# Altium PCB HAND_MULTILAYER.PcbDoc (part 2 of 3) (continued)
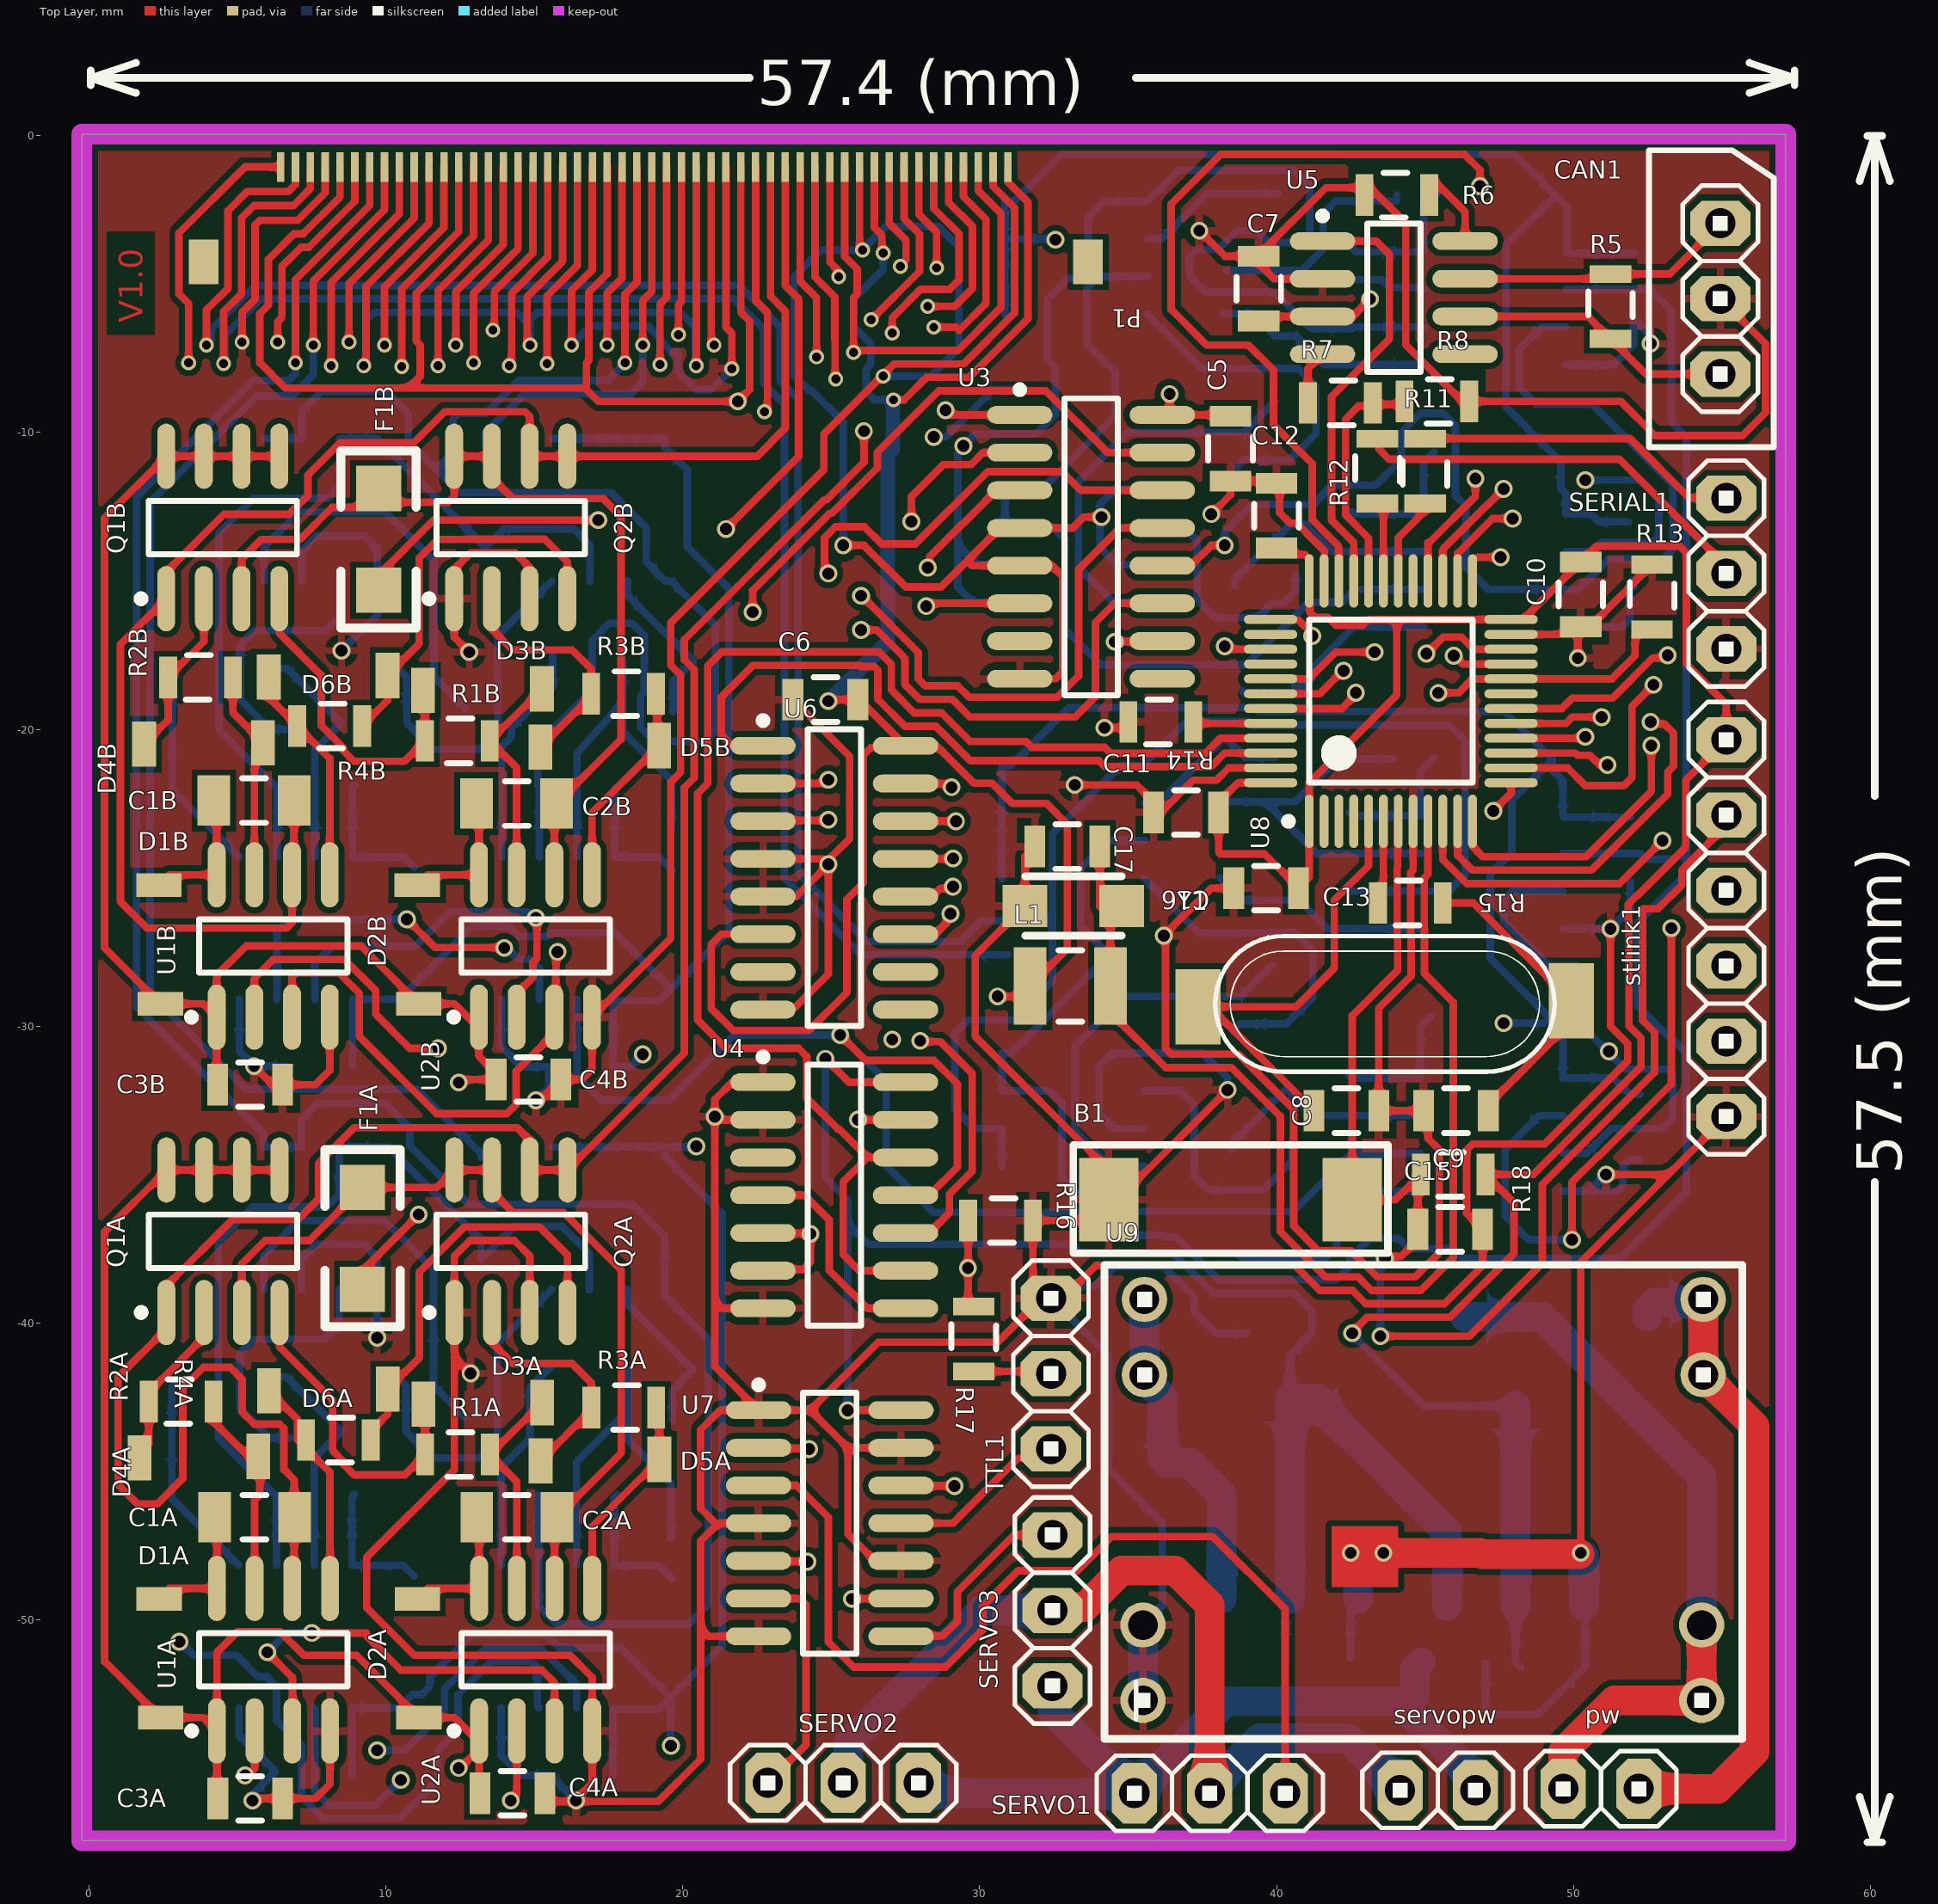
[diagram p0: Top Layer view]
## Nets (pads, with @x,y where several pads share a name; then routed paths per layer and width w, separated by ;. In a path a pad name is that pad's centre, name@x,y a point inside that pad or via, vN(x,y) a via of type N, cw(c..) or ccw(c..) an arc to the next point about the centre after c; other vN are vias at no path point) (continued)
NetC2D_1: C2D.1 F1D.2 Q1D.3 Q2D.7 Q2D.8 U2D.6 | length 31.7
  Bottom Layer w0.254: Q1D.3@35.65,-4.745 34.005,-4.745 33.6,-5.15 33.6,-7 34.565,-7.965 F1D.2@34.565,-8.55 34.565,-9.435 32.095,-11.905 Q2D.8@30.85,-11.905 Q2D.7@30.85,-13.175 32.457,-13.175 32.871,-13.589 32.871,-16.621 34.077,-17.827 38.973,-17.827 41.08,-15.72 42.19,-15.72 C2D.1@42.55,-15.36 ; C2D.1@42.63,-15.28 U2D.6@44.95,-15.28
NetC2D_2: C2D.2 D2D.K U2D.8 | length 4.7
  Bottom Layer w0.254: C2D.2@42.55,-12.66 42.63,-12.74 U2D.8@44.95,-12.74 44.95,-11.01 D2D.K@45.3,-10.66
NetC2E_1: C2E.1 F1E.2 Q1E.3 Q2E.7 Q2E.8 U2E.6 | length 30.5
  Bottom Layer w0.254: U2E.6@6.313,-48.175 6.313,-45.855 C2E.1@6.233,-45.775 4.35,-43.892 4.35,-37.25 5.504,-36.096 8.004,-36.096 8.418,-35.682 Q2E.7@8.418,-34.075 Q2E.8@9.688,-34.075 10.075,-34.075 13.2,-37.2 F1E.2@13.2,-37.865 14.314,-36.75 15.935,-36.75 16.848,-37.663 Q1E.3@16.848,-38.875
NetC2E_2: C2E.2 D2E.K U2E.8 | length 4.7
  Bottom Layer w0.254: C2E.2@8.933,-45.775 8.853,-45.855 U2E.8@8.853,-48.175 10.583,-48.175 D2E.K@10.933,-48.525
NetC2F_1: C2F.1 F1F.2 Q1F.3 Q2F.7 Q2F.8 U2F.6 | length 30.2
  Bottom Layer w0.254: Q1F.3@35.545,-23.752 34.333,-23.752 33.4,-24.685 33.4,-26.636 F1F.2@34.365,-27.6 31.052,-30.912 Q2F.8@30.745,-30.912 Q2F.7@30.745,-32.182 32.352,-32.182 32.766,-32.596 32.766,-35.096 33.92,-36.25 40.562,-36.25 42.525,-34.287 U2F.6@44.845,-34.287
NetC2F_2: C2F.2 D2F.K U2F.8 | length 4.7
  Bottom Layer w0.254: C2F.2@42.445,-31.667 42.525,-31.747 U2F.8@44.845,-31.747 44.845,-30.017 D2F.K@45.195,-29.667
NetC8_1: C8.1 U8.5 Y1.2 | length 15.5
  Top Layer w0.254: Y1.2@37.35,-29.35 Y1.2@37.758,-29.35 ; C8.1@41.258,-32.85 Y1.2@37.758,-29.35 ; U8.5@43.1,-23.1 43.1,-24.6 41.95,-25.75 41.95,-28.05 40.65,-29.35 Y1.2@37.758,-29.35
NetC9_2: C9.2 R15.2 Y1.1 | length 10
  Top Layer w0.254: 45.942,-25.85 46.625,-25.85 Y1.1@49.925,-29.15 49.925,-29.859 C9.2@47.134,-32.65
NetC16_+: C16.+ C17.2 L1.2 U8.9 | length 39.1
  Top Layer w0.254: C17.2@34.042,-23.95 34.042,-25.972 34.4,-26.33 L1.2@34.4,-28.65 34.4,-29.536 36.264,-31.401 38.487,-31.401 40.127,-33.041 40.127,-36.931 41.645,-38.45 42.748,-38.45 43.202,-38.904 44.858,-38.904 45.95,-37.812 45.95,-29.2 44.985,-28.235 44.985,-26.697 44.973,-26.685 44.973,-25.015 45.1,-24.888 U8.9@45.1,-23.1
NetC20_-: C20.- pw.2 U9.1 | length 24.4
  Top Layer w1: pw.2@49.66,-55.7 49.66,-54.44 51.377,-52.723 U9.1@54.321,-52.723 U9.1@54.321,-50.183
  Bottom Layer w1: C20.-@46.35,-39.8 48.95,-39.8 54.321,-45.171 U9.1@54.321,-50.183
NetD3A_A: D3A.A Q1A.4 R1A.2 | length 10.9
  Top Layer w0.254: Q1A.4@6.412,-39.65 6.412,-40.812 8.2,-42.6 8.2,-44.3 8.572,-44.672 8.572,-44.773 8.924,-45.125 10.627,-45.125 R1A.2@11.315,-44.437 11.315,-42.795 D3A.A@11.257,-42.737
NetD3A_K: D3A.K R1A.1 U2A.7 | length 7.4
  Top Layer w0.254: U2A.7@14.407,-48.95 14.407,-45.345 R1A.1@13.499,-44.437 13.507,-44.437 D3A.K@15.257,-42.687
NetD3B_A: D3B.A Q1B.4 R1B.2 | length 10.9
  Top Layer w0.254: Q1B.4@6.405,-15.6 6.405,-16.762 7.818,-18.175 7.818,-19.875 8.565,-20.622 8.565,-20.723 8.917,-21.075 10.62,-21.075 R1B.2@11.308,-20.387 11.308,-18.745 D3B.A@11.25,-18.687
NetD3B_K: D3B.K R1B.1 U2B.7 | length 7.4
  Top Layer w0.254: U2B.7@14.4,-24.9 14.4,-21.295 R1B.1@13.492,-20.387 13.5,-20.387 D3B.K@15.25,-18.637
NetD3C_A: D3C.A Q1C.4 R1C.2 | length 11.4
  Bottom Layer w0.254: D3C.A@10.45,-18 10.692,-18.242 R1C.2@10.692,-19.787 11.58,-20.675 13.167,-20.675 13.767,-20.075 13.767,-16.828 Q1C.4@15.595,-15
NetD3C_K: D3C.K R1C.1 U2C.7 | length 7.7
  Bottom Layer w0.254: D3C.K@6.45,-17.95 6.671,-17.95 R1C.1@8.508,-19.787 7.6,-20.695 U2C.7@7.6,-24.3
NetD3D_A: D3D.A Q1D.4 R1D.2 | length 11.4
  Bottom Layer w0.254: Q1D.4@35.65,-6.015 37.478,-7.843 40.725,-7.843 41.325,-8.443 41.325,-10.03 40.437,-10.918 R1D.2@40.35,-10.918 38.892,-10.918 D3D.A@38.65,-11.16
NetD3D_K: D3D.K R1D.1 U2D.7 | length 7.7
  Bottom Layer w0.254: D3D.K@38.6,-15.16 38.6,-14.939 40.437,-13.102 40.952,-13.102 41.86,-14.01 U2D.7@44.95,-14.01
NetD3E_A: D3E.A Q1E.4 R1E.2 | length 11.4
  Bottom Layer w0.254: D3E.A@10.433,-41.875 10.675,-42.117 R1E.2@10.675,-43.662 11.563,-44.55 13.15,-44.55 13.75,-43.95 13.75,-40.703 Q1E.4@15.578,-38.875
NetD3E_K: D3E.K R1E.1 U2E.7 | length 7.7
  Bottom Layer w0.254: D3E.K@6.433,-41.825 6.654,-41.825 R1E.1@8.491,-43.662 7.583,-44.57 U2E.7@7.583,-48.175
NetD3F_A: D3F.A Q1F.4 R1F.2 | length 11.4
  Bottom Layer w0.254: Q1F.4@35.545,-25.022 37.373,-26.85 40.62,-26.85 41.22,-27.45 41.22,-29.037 R1F.2@40.332,-29.925 38.787,-29.925 D3F.A@38.545,-30.167
NetD3F_K: D3F.K R1F.1 U2F.7 | length 7.7
  Bottom Layer w0.254: D3F.K@38.495,-34.167 38.495,-33.946 R1F.1@40.332,-32.109 41.24,-33.017 U2F.7@44.845,-33.017
NetD4A_A: D4A.A Q1A.2 R2A.1 | length 5.9
  Top Layer w0.254: D4A.A@1.55,-44.55 2.008,-44.092 R2A.1@2.008,-42.65 2.008,-42.25 2.181,-42.077 2.273,-42.077 3.872,-40.478 Q1A.2@3.872,-39.65
NetD4A_K: D4A.K R2A.2 U1A.7 | length 7
  Top Layer w0.254: R2A.2@4.179,-42.637 R2A.2@4.192,-42.65 4.192,-43.335 5.75,-44.893 5.75,-45.794 5.572,-45.972 U1A.7@5.572,-48.95
NetD4B_A: D4B.A Q1B.2 R2B.1 | length 6.5
  Top Layer w0.254: D4B.A@1.85,-20.5 2.658,-19.692 R2B.1@2.658,-18.25 3.865,-17.043 Q1B.2@3.865,-15.6 Q1B.2@3.865,-16.328
NetD4B_K: D4B.K R2B.2 U1B.7 | length 7.2
  Top Layer w0.254: R2B.2@4.842,-18.25 4.842,-19.442 D4B.K@5.85,-20.45 5.565,-20.735 U1B.7@5.565,-24.9
NetD4C_A: D4C.A Q1C.2 R2C.1 | length 5.6
  Bottom Layer w0.254: Q1C.2@18.135,-15 18.135,-15.481 20.359,-17.705 19.667,-18.397 D4C.A@19.667,-19.405
NetD4C_K: D4C.K R2C.2 U1C.7 | length 12.2
  Bottom Layer w0.254: U1C.7@16.435,-24.3 16.435,-20.807 17.975,-19.067 ; R2C.2@17.975,-17.705 17.975,-19.067 ; D4C.K@19.617,-23.405 19.617,-21.717 17.975,-20.075 17.975,-19.067
NetD4D_A: D4D.A Q1D.2 R2D.1 | length 5.1
  Bottom Layer w0.254: Q1D.2@35.65,-3.475 36.131,-3.475 37.653,-1.953 37.643,-1.943 D4D.A@40.055,-1.943
NetD4D_K: D4D.K R2D.2 U1D.7 | length 12.9
  Bottom Layer w0.254: R2D.2@38.305,-4.535 39.667,-4.535 ; D4D.K@44.05,-2.2 42,-2.2 41.573,-2.627 41.573,-3.827 40.865,-4.535 39.667,-4.535 ; D4D.K@44.05,-1.993 D4D.K@44.055,-1.993 ; U1D.7@44.95,-5.175 44.884,-5.109 43.809,-5.109 43.55,-4.85 40.548,-4.85 40.541,-4.848 39.667,-4.535
NetD4E_A: D4E.A Q1E.2 R2E.1 | length 5.6
  Bottom Layer w0.254: Q1E.2@18.118,-38.875 18.118,-39.356 20.342,-41.58 19.65,-42.272 D4E.A@19.65,-43.28
NetD4E_K: D4E.K R2E.2 U1E.7 | length 12.3
  Bottom Layer w0.254: U1E.7@16.418,-48.175 16.418,-44.682 18.158,-42.942 ; R2E.2@18.158,-41.58 18.158,-42.942 ; D4E.K@19.6,-47.28 19.6,-45.4 18.158,-43.958 18.158,-42.942
NetD4F_A: D4F.A Q1F.2 R2F.1 | length 5.6
  Bottom Layer w0.254: Q1F.2@35.545,-22.482 36.026,-22.482 38.2,-20.308 38.3,-20.308 38.942,-20.95 D4F.A@39.95,-20.95
NetD4F_K: D4F.K R2F.2 U1F.7 | length 12.3
  Bottom Layer w0.254: R2F.2@38.25,-22.442 39.612,-22.442 ; D4F.K@43.95,-21 42.07,-21 40.628,-22.442 39.612,-22.442 ; U1F.7@44.845,-24.182 41.352,-24.182 39.612,-22.442
NetD5A_A: D5A.A Q2A.2 R3A.2 | length 8.3
  Top Layer w0.254: Q2A.2@13.572,-39.65 13.572,-40.672 14.272,-41.372 16.272,-41.372 16.915,-42.015 R3A.2@16.915,-42.85 16.915,-42.942 D5A.A@15.207,-44.65
NetD5A_K: D5A.K R3A.1 U2A.5 | length 7.1
  Top Layer w0.254: U2A.5@16.947,-48.95 16.947,-46.86 D5A.K@19.207,-44.6 19.207,-42.958 R3A.1@19.099,-42.85
NetD5B_A: D5B.A Q2B.2 R3B.2 | length 8.3
  Top Layer w0.254: Q2B.2@13.565,-15.6 13.565,-16.622 14.265,-17.322 16.265,-17.322 16.908,-17.965 R3B.2@16.908,-18.8 16.908,-18.892 D5B.A@15.2,-20.6
NetD5B_K: D5B.K R3B.1 U2B.5 | length 7
  Top Layer w0.254: U2B.5@16.94,-24.9 16.94,-22.81 19.138,-20.612 19.138,-18.846 R3B.1@19.092,-18.8
NetD5C_A: D5C.A Q2C.2 R3C.2 | length 8.9
  Bottom Layer w0.254: D5C.A@6.8,-20 6.092,-20 5.092,-19 R3C.2@5.092,-18.2 5.092,-17.15 5.567,-16.675 7.967,-16.675 8.435,-16.207 Q2C.2@8.435,-15
NetD5C_K: D5C.K R3C.1 U2C.5 | length 7.1
  Bottom Layer w0.254: R3C.1@2.908,-18.2 2.8,-18.308 D5C.K@2.8,-19.95 2.8,-22.04 U2C.5@5.06,-24.3
NetD5D_A: D5D.A Q2D.2 R3D.2 | length 8.3
  Bottom Layer w0.254: Q2D.2@35.65,-13.175 36.857,-13.175 37.325,-13.643 37.325,-15.625 37.938,-16.238 39.369,-16.238 39.85,-15.758 40.223,-15.758 40.65,-15.331 D5D.A@40.65,-14.81
NetD5D_K: D5D.K R3D.1 U2D.5 | length 7.2
  Bottom Layer w0.254: R3D.1@38.85,-18.702 38.958,-18.81 D5D.K@40.6,-18.81 ; D5D.K@40.6,-18.55 40.923,-18.55 41.196,-18.277 41.196,-17.954 42.6,-16.55 U2D.5@44.95,-16.55
NetD5E_A: D5E.A Q2E.2 R3E.2 | length 8.9
  Bottom Layer w0.254: D5E.A@6.783,-43.875 6.075,-43.875 5.075,-42.875 R3E.2@5.075,-42.075 5.075,-41.025 5.55,-40.55 7.95,-40.55 8.418,-40.082 Q2E.2@8.418,-38.875
NetD5E_K: D5E.K R3E.1 U2E.5 | length 7.1
  Bottom Layer w0.254: R3E.1@2.891,-42.075 2.783,-42.183 D5E.K@2.783,-43.825 2.783,-45.915 U2E.5@5.043,-48.175
NetD5F_A: D5F.A Q2F.2 R3F.2 | length 8.9
  Bottom Layer w0.254: Q2F.2@35.545,-32.182 36.752,-32.182 37.22,-32.65 37.22,-35.05 37.695,-35.525 R3F.2@38.745,-35.525 39.545,-35.525 40.545,-34.525 D5F.A@40.545,-33.817
NetD5F_K: D5F.K R3F.1 U2F.5 | length 7.7
  Bottom Layer w0.254: R3F.1@38.745,-37.709 38.853,-37.817 D5F.K@40.495,-37.817 41.638,-37.817 42.025,-37.43 42.025,-36.425 42.893,-35.557 U2F.5@44.845,-35.557
NetD6A_A: D6A.A Q2A.4 R4A.1 | length 14.2
  Top Layer w0.254: R4A.1@9.335,-43.801 10.057,-43.079 D6A.A@10.057,-42.237 11.125,-41.169 11.125,-38.283 12.637,-36.771 15.171,-36.771 16.112,-37.712 Q2A.4@16.112,-39.65
NetD6A_K: D6A.K R4A.2 U1A.5 | length 7.5
  Top Layer w0.254: D6A.K@6.057,-42.287 7.015,-43.245 7.015,-43.937 8.112,-45.035 U1A.5@8.112,-48.95
NetD6B_A: D6B.A Q2B.4 R4B.1 | length 13.3
  Top Layer w0.254: R4B.1@9.192,-19.887 10.05,-19.029 D6B.A@10.05,-18.187 11.118,-17.119 11.118,-14.233 11.751,-13.6 12.658,-13.6 12.662,-13.596 15.346,-13.596 16.105,-14.355 Q2B.4@16.105,-15.6
NetD6B_K: D6B.K R4B.2 U1B.5 | length 7.5
  Top Layer w0.254: D6B.K@6.05,-18.237 6.05,-18.929 R4B.2@7.008,-19.887 8.105,-20.984 U1B.5@8.105,-24.9
NetD6C_A: D6C.A Q2C.4 R4C.1 | length 13.5
  Bottom Layer w0.254: Q2C.4@5.895,-15 5.895,-13.847 7.067,-12.675 9.967,-12.675 11.617,-14.325 D6C.A@11.617,-17.505 11.617,-18.247 R4C.1@12.675,-19.305
NetD6C_K: D6C.K R4C.2 U1C.5 | length 7.5
  Bottom Layer w0.254: U1C.5@13.895,-24.3 13.895,-20.589 14.221,-20.263 14.221,-19.943 R4C.2@14.859,-19.305 15.617,-18.547 D6C.K@15.617,-17.555
NetD6D_A: D6D.A Q2D.4 R4D.1 | length 13.5
  Bottom Layer w0.254: Q2D.4@35.65,-15.715 34.497,-15.715 33.325,-14.543 33.325,-11.643 34.975,-9.993 D6D.A@38.155,-9.993 38.897,-9.993 R4D.1@39.955,-8.935
NetD6D_K: D6D.K R4D.2 U1D.5 | length 7.5
  Bottom Layer w0.254: D6D.K@38.205,-5.993 39.197,-5.993 R4D.2@39.955,-6.751 40.651,-6.751 41.615,-7.715 U1D.5@44.95,-7.715
NetD6E_A: D6E.A Q2E.4 R4E.1 | length 13.5
  Bottom Layer w0.254: Q2E.4@5.878,-38.875 5.878,-37.722 7.05,-36.55 9.95,-36.55 11.6,-38.2 D6E.A@11.6,-41.38 11.6,-42.122 R4E.1@12.658,-43.18
NetD6E_K: D6E.K R4E.2 U1E.5 | length 7.5
  Bottom Layer w0.254: U1E.5@13.878,-48.175 13.878,-44.872 14.842,-43.908 R4E.2@14.842,-43.18 14.842,-42.188 D6E.K@15.6,-41.43
NetD6F_A: D6F.A Q2F.4 R4F.1 | length 13.5
  Bottom Layer w0.254: Q2F.4@35.545,-34.722 34.392,-34.722 33.22,-33.55 33.22,-30.65 34.87,-29 D6F.A@38.05,-29 38.792,-29 R4F.1@39.85,-27.942
NetD6F_K: D6F.K R4F.2 U1F.5 | length 7.5
  Bottom Layer w0.254: D6F.K@38.1,-25 38.858,-25.758 R4F.2@39.85,-25.758 40.758,-25.758 41.722,-26.722 U1F.5@44.845,-26.722
NetR6_2: R6.2 U5.8 | length 2.4
  Top Layer w0.254: R6.2@45.342,-1.55 46.35,-2.558 U5.8@46.35,-3.55
NetR7_2: R7.2 U5.4 | length 1.9
  Top Layer w0.254: R7.2@41.058,-9.05 R7.2@41.058,-9 41.058,-7.852 U5.4@41.55,-7.36
NetR11_2: R11.2 SERIAL1.3 | length 10.8
  Top Layer w0.254: R11.2@45.15,-10.2 51.9,-10.2 53.902,-12.202 55.142,-12.202 SERIAL1.3@55.15,-12.21
NetR12_1: R12.1 SERIAL1.2 | length 13.9
  Top Layer w0.254: R12.1@43.45,-10.258 43.45,-10.558 43.792,-10.9 51.555,-10.9 55.15,-14.495 SERIAL1.2@55.15,-14.75
NetR15_1: R15.1 U8.6 | length 2.2
  Top Layer w0.254: R15.1@43.6,-25.3 U8.6@43.6,-23.1
NetR17_2: R17.2 TTL1.2 | length 2.6
  Top Layer w0.254: R17.2@29.8,-41.634 32.324,-41.634 TTL1.2@32.4,-41.71
NetSERVO1_1: SERVO1.1 U7.3 | length 32.2
  Top Layer w0.254: U7.3@22.55,-45.48 23.83,-45.48 24.9,-46.55 24.9,-50.75 25.75,-51.6 28.85,-51.6 30.1,-50.35 30.1,-49.55 31.3,-48.35 33.3,-48.35 34.45,-47.2 37.85,-47.2 40.29,-49.64 SERVO1.1@40.29,-55.85
NetSERVO2_1: SERVO2.1 U7.6 | length 8.2
  Top Layer w0.254: U7.6@22.55,-49.29 23.94,-49.29 24.15,-49.5 24.15,-54.21 SERVO2.1@22.86,-55.5
NetSERVO3_1: SERVO3.1 U7.8 | length 7.1
  Top Layer w0.254: U7.8@27.35,-50.56 27.36,-50.55 28.75,-50.55 29.246,-50.054 29.246,-49.054 31.15,-47.15 SERVO3.1@32.45,-47.15
NetTTL1_1: TTL1.1 U7.11 | length 6.1
  Top Layer w0.254: U7.11@27.35,-46.75 29.1,-46.75 31.286,-44.564 32.086,-44.564 TTL1.1@32.4,-44.25
NetU4_4: U4.4 U4.8 | length 7.4
  Top Layer w0.254: U4.4@22.7,-35.7 24.1,-35.7 24.927,-36.527 24.927,-38.227 26.21,-39.51 U4.8@27.5,-39.51
PA9: R11.1 U8.30 | length 2.9
  Top Layer w0.254: U8.30@44.1,-15 44.1,-13.542 R11.1@45.15,-12.492
PA10: R12.2 U8.31 | length 2.7
  Top Layer w0.254: R12.2@43.4,-12.392 43.427,-12.392 43.6,-12.565 U8.31@43.6,-15
PA13: stlink1.4 U8.34 | length 55
  Top Layer w0.254: U8.34@42.1,-15 42.091,-14.991 42.091,-13.833 41.481,-13.223 41.481,-13.219 41.2,-12.938 41.2,-11.05 39.9,-9.75 39.9,-7.9 39.052,-7.052 37.648,-7.052 36.45,-5.855 36.45,-2.3 38.123,-0.627 46.327,-0.627 46.85,-1.15 v1(46.85,-1.7)
  GND w0.254: v1(46.85,-1.7) 46.85,-2.358 53.804,-9.312 53.804,-24.338 54.896,-25.43 stlink1.4@55.15,-25.43
PA14: stlink1.3 U8.37 | length 26.5
  Top Layer w0.254: U8.37@39.8,-16.3 39.809,-16.309 40.733,-16.309 41.2,-16.775 v1(41.2,-16.854)
  POWER w0.254: v1(41.2,-16.854) 39.454,-16.854 39.45,-16.85 38.877,-17.423 38.877,-17.46 38.793,-17.543 38.793,-20.009 44.734,-25.95 49.342,-25.95 51.362,-27.97 stlink1.3@55.15,-27.97
PB2: R13.2 U7.12 U8.20 | length 45.5
  Top Layer w0.254: U7.12@27.35,-45.48 27.36,-45.49 29.14,-45.49 v1(29.15,-45.5) ; v1(45.45,-18.773) 45.454,-18.769 46.131,-18.769 46.6,-18.3 U8.20@47.9,-18.3 51.296,-18.3 52.077,-17.519 52.077,-16.807 52.25,-16.634 R13.2@52.65,-16.634
  GND w0.254: v1(29.15,-45.5) 29.15,-45.428 28.9,-45.178 28.9,-35.9 31.2,-33.6 33.85,-33.6 45.45,-22 v1(45.45,-18.773)
PB3: R16.2 R17.1 stlink1.2 U8.39 | length 60.3
  Top Layer w0.254: R16.2@29.608,-36.55 29.608,-39.258 R17.1@29.8,-39.45 ; v1(38.25,-17.2) 38.344,-17.2 38.444,-17.3 U8.39@39.8,-17.3
  POWER w0.254: v1(38.25,-17.2) 38.25,-20.108 44.742,-26.6 49.35,-26.6 53.26,-30.51 stlink1.2@55.15,-30.51
  GND w0.254: v1(29.604,-38.15) 29.604,-35.995 30.499,-35.1 33,-35.1 39.55,-28.55 51.7,-28.55 53.66,-30.51 stlink1.2@55.15,-30.51
PULSE: U4.9 U4.12 U8.45 | length 49
  Top Layer w0.254: U4.9@27.5,-38.24 25.94,-38.24 25.4,-37.7 25.4,-35.25 26.22,-34.43 26.23,-34.43 ; U4.12@27.5,-34.43 26.23,-34.43 ; U8.45@39.8,-20.3 38.105,-20.3 37.597,-20.808 34.412,-20.808 34.209,-20.605 31.755,-20.605 31.559,-20.409 29.683,-20.409 28.72,-19.446 27.796,-19.446 27.023,-18.673 27.023,-17.81 26.602,-17.389 21.311,-17.389 20.835,-17.865 20.835,-21.824 20.5,-22.159 20.5,-29.8 21.45,-30.75 23.9,-30.75 24.173,-31.023 24.173,-32.423 25.223,-33.473 25.273,-33.473 26.23,-34.43
RESET: B1.2 C15.2 R18.1 stlink1.5 U8.7 | length 46.9
  Top Layer w0.254: v1(43.5,-40.45) 46.5,-40.45 48.95,-38 48.95,-35.342 52.735,-31.557 52.735,-30.214 52.329,-29.808 52.329,-26.274 52.327,-26.272 52.327,-26.05 52.85,-26.05 53.652,-25.248 53.652,-24.748 55.15,-23.25 stlink1.5@55.15,-22.89 ; v1(43.65,-37.823) 43.716,-37.757 44.201,-37.757 44.758,-37.2 C15.2@44.758,-36.85 44.758,-35.1 44.008,-35.85 B1.2@42.55,-35.85 42.55,-29.65 44.077,-28.123 44.077,-27.074 44.065,-27.062 44.065,-24.638 44.077,-24.626 44.077,-23.123 U8.7@44.1,-23.1
  Bottom Layer w0.254: v1(43.5,-40.45) 43.5,-37.973 v1(43.65,-37.823)
SD_SEL0: U3.1 U8.26 | length 28
  Top Layer w0.254: v1(28.85,-9.25) 29.005,-9.405 U3.1@31.35,-9.405 ; U8.26@46.1,-15 46.1,-14.075 47.275,-12.9 v1(47.95,-12.9)
  GND w0.254: v1(28.85,-9.25) 30.55,-9.25 31.15,-9.85 46.992,-9.85 48.375,-11.233 48.375,-12.475 v1(47.95,-12.9)
SD_SEL1: U3.2 U8.27 | length 30.9
  Top Layer w0.254: v1(27.7,-13) 27.7,-12.15 28.773,-11.077 29.71,-11.077 30.112,-10.675 U3.2@31.35,-10.675 ; U8.27@45.6,-15 45.6,-13.95 45.646,-13.904 45.646,-13.887 47.087,-12.446 47.104,-12.446 v1(47.65,-11.9)
  GND w0.254: v1(27.7,-13) 28.5,-13 30.75,-10.75 47.25,-10.75 47.65,-11.15 v1(47.65,-11.9)
SD_SEL2: U3.3 U8.28 | length 28.2
  Top Layer w0.254: v1(28.25,-14.55) 28.316,-14.484 28.316,-14.184 30.555,-11.945 U3.3@31.35,-11.945 ; U8.28@45.1,-15 45.1,-13.711 45.143,-13.711 46.7,-12.155 v1(46.7,-11.55)
  GND w0.254: v1(28.25,-14.55) 31.25,-11.55 ; 31.25,-11.55 v1(46.7,-11.55)
SDA: U1A.3 U2A.3 U3.15 | length 84
  Top Layer w0.254: v1(6,-51.1) 6.85,-51.95 6.85,-53.742 U1A.3@6.842,-53.75 ; v1(7.5,-50.45) 9.35,-50.45 9.35,-50.55 10.5,-51.7 15.25,-51.7 15.677,-52.127 U2A.3@15.677,-53.75 ; v1(22.35,-16.05) 22.35,-15.321 24.952,-12.719 25.023,-12.719 26.554,-11.188 26.554,-10.659 28.617,-8.596 32.228,-8.596 34.307,-10.675 U3.15@36.15,-10.675
  POWER w0.254: v1(7.5,-50.45) 5,-50.45 3.623,-51.827 2.39,-51.827 1.85,-51.287 1.85,-36.55 v1(22.35,-16.05)
  Bottom Layer w0.254: v1(6,-51.1) 6.65,-50.45 v1(7.5,-50.45)
SDB: U1B.3 U2B.3 U3.14 | length 48.4
  Top Layer w0.254: U1B.3@6.835,-29.7 6.835,-28.357 6.984,-28.208 8.412,-28.208 9.1,-28.896 9.1,-30.35 11.7,-32.95 14.07,-32.95 14.385,-32.635 14.385,-31.515 15.67,-30.23 U2B.3@15.67,-29.7 15.723,-29.647 15.723,-27.554 v1(15.777,-27.5) ; v1(24.9,-14.75) 24.773,-14.623 24.773,-13.54 25.14,-13.173 26.115,-13.173 26.692,-13.75 27.837,-13.75 30.269,-11.318 32.777,-11.318 33.404,-11.945 U3.14@36.15,-11.945
  POWER w0.254: v1(15.777,-27.5) 15.777,-23.873 v1(24.9,-14.75)
SDC: U1C.3 U2C.3 U3.13 | length 48.7
  Top Layer w0.254: v1(10.7,-26.4) 11.65,-27.35 13.963,-27.35 v1(13.982,-27.368) ; v1(26,-15.5) 26.021,-15.5 27.931,-17.41 27.931,-18.297 28.172,-18.538 29.264,-18.538 29.648,-18.922 32.608,-18.922 33.33,-18.2 33.33,-14.62 34.735,-13.215 U3.13@36.15,-13.215
  POWER w0.254: v1(13.982,-27.368) 14.018,-27.368 14.777,-28.127 16.037,-28.127 16.404,-27.76 16.404,-25.096 v1(26,-15.5)
  Bottom Layer w0.254: U2C.3@6.33,-29.1 6.33,-26.82 6.75,-26.4 v1(10.7,-26.4) ; v1(13.982,-27.368) 14.075,-27.368 14.446,-27.739 14.839,-27.739 15.165,-28.065 U1C.3@15.165,-29.1
SDD: U1D.3 U2D.3 U3.12 | length 37.6
  Top Layer w0.254: U3.12@36.15,-14.485 37.115,-14.485 37.8,-13.8 v1(38.25,-13.8)
  Bottom Layer w0.254: v1(38.25,-13.8) 38.25,-13.35 39.171,-12.429 41.244,-12.429 41.575,-12.098 41.575,-12.063 41.865,-11.773 43.339,-11.773 44.2,-10.912 44.2,-10 44.85,-9.35 45.614,-9.35 46.027,-9.763 46.027,-12.113 46.01,-12.113 46.377,-12.48 46.377,-14.527 47.13,-15.28 U2D.3@49.75,-15.28 50.17,-15.28 50.998,-14.452 50.998,-14.45 51.19,-14.258 53.034,-14.258 53.35,-13.942 53.35,-11.758 50.642,-9.05 48.75,-9.05 48.179,-8.479 48.179,-7.2 48.934,-6.445 U1D.3@49.75,-6.445
SDE: U1E.3 U2E.3 U3.11 | length 82.2
  Top Layer w0.254: v1(26,-16.65) 26.529,-16.65 27.415,-17.535 27.415,-17.559 27.477,-17.622 27.477,-18.485 27.984,-18.992 29.076,-18.992 29.667,-19.583 33.217,-19.583 33.9,-18.9 33.9,-16.4 34.545,-15.755 U3.11@36.15,-15.755
  POWER w0.254: v1(3.035,-50.746) 3.104,-50.746 5.396,-48.454 5.396,-35.304 12.119,-28.581 16.225,-28.581 17.103,-27.703 17.103,-25.547 v1(26,-16.65)
  Bottom Layer w0.254: v1(3.035,-50.746) 3.06,-50.746 3.514,-51.2 4.955,-51.2 5.67,-51.915 5.965,-51.915 6.313,-52.263 U2E.3@6.313,-52.975 6.313,-53.393 7.15,-54.23 7.15,-55.962 7.888,-56.7 10.45,-56.7 11.75,-55.4 11.75,-54.392 12.426,-53.716 12.426,-52.524 13.546,-51.404 14.904,-51.404 15.1,-51.6 15.1,-52.927 U1E.3@15.148,-52.975
SDF: U1F.3 U2F.3 U3.10 | length 41.4
  Top Layer w0.254: v1(34.55,-17.05) 34.563,-17.037 36.137,-17.037 U3.10@36.15,-17.025
  POWER w0.254: v1(34.55,-17.05) 44.85,-27.35 47.7,-27.35 v1(51.2,-30.85)
  Bottom Layer w0.254: U2F.3@49.645,-34.287 50.445,-34.287 51.282,-33.45 53,-33.45 53.35,-33.1 53.35,-31.599 53.201,-31.45 51.75,-31.45 50.5,-30.2 50.5,-28.35 50.1,-27.95 49.15,-27.95 47.65,-26.45 47.65,-25.75 47.948,-25.452 U1F.3@49.645,-25.452
SERVO_GND: R9.1 SERVO1.3 SERVO2.3 SERVO3.3 servopw.2 | length 28.3
  Bottom Layer w1: SERVO2.3@27.94,-55.5 28.29,-55.85 SERVO1.3@35.21,-55.85 ; SERVO3.3@32.45,-52.23 32.45,-53.09 SERVO1.3@35.21,-55.85 ; R9.1@44.858,-51.45 44.658,-51.65 44.658,-52.56 44.468,-52.75 ; servopw.2@46.7,-55.75 46.7,-55.35 44.284,-52.934 44.468,-52.75 ; SERVO1.3@35.21,-55.85 38.31,-52.75 44.468,-52.75
SERVO_SIG1: U7.2 U8.41 | length 45.6
  Top Layer w0.254: U7.2@22.55,-44.21 22.57,-44.23 24.23,-44.23 v1(24.25,-44.25) ; U8.41@39.8,-18.3 41.1,-18.3 42,-17.4 v1(43.3,-17.4)
  GND w0.254: v1(24.25,-44.25) 24.25,-38.989 23.673,-38.412 23.673,-34.443 25.827,-32.289 33.303,-32.289 43.754,-21.838 43.754,-17.909 43.3,-17.455 v1(43.3,-17.4)
SERVO_SIG2: U7.5 U8.42 | length 48.4
  Top Layer w0.254: U7.5@22.55,-48.02 22.565,-48.035 24.185,-48.035 v1(24.2,-48.05) ; U8.42@39.8,-18.8 41.45,-18.8 42.223,-18.027 v1(42.26,-18.027)
  GND w0.254: v1(24.2,-48.05) 23.673,-47.523 23.673,-44.56 23.219,-44.106 23.219,-34.255 25.639,-31.835 33.115,-31.835 43.3,-21.65 43.3,-18.45 42.877,-18.027 v1(42.26,-18.027)
SERVO_SIG3: U7.9 U8.43 | length 49.9
  Top Layer w0.254: v1(25.7,-49.3) 25.705,-49.295 27.345,-49.295 U7.9@27.35,-49.29 ; U8.43@39.8,-19.3 42.2,-19.3 42.673,-18.827 v1(42.673,-18.765)
  GND w0.254: v1(25.7,-49.3) 24.269,-49.3 23.219,-48.25 23.219,-44.748 22.765,-44.294 22.765,-34.067 25.451,-31.381 32.785,-31.381 42.673,-21.493 v1(42.673,-18.765)
SERVO_VIN: SERVO1.2 SERVO2.2 SERVO3.2 servopw.1 | length 30.9
  Top Layer w1: SERVO3.2@32.45,-49.69 32.563,-49.577 33.542,-49.577 34.77,-48.35 36.59,-48.35 37.75,-49.51 SERVO1.2@37.75,-55.85
  Bottom Layer w1: SERVO2.2@25.4,-55.5 25.574,-55.326 25.574,-54.176 30.06,-49.69 SERVO3.2@32.45,-49.69 ; SERVO1.2@37.75,-55.85 37.75,-55.684 39.434,-54 42.41,-54 43.732,-55.322 43.898,-55.322 44.16,-55.584 servopw.1@44.16,-55.75
SPI1_SS0: U6.1 U8.46 | length 24
  Top Layer w0.254: U6.1@22.7,-20.555 21.655,-20.555 21.296,-20.196 21.296,-18.904 22.357,-17.843 25.964,-17.843 26.002,-17.881 26.44,-17.881 26.569,-18.01 26.569,-18.982 27.487,-19.9 28.532,-19.9 29.691,-21.059 34.021,-21.059 34.224,-21.262 37.785,-21.262 38.247,-20.8 U8.46@39.8,-20.8
SPI1_SS1: U6.2 U8.21 | length 29
  Top Layer w0.254: U6.2@22.7,-21.825 24.681,-21.825 24.806,-21.7 v1(24.9,-21.7) ; v1(45.969,-17.519) 46.006,-17.519 46.287,-17.8 U8.21@47.9,-17.8
  GND w0.254: v1(24.9,-21.7) 31.35,-15.25 43.737,-15.25 45.969,-17.482 v1(45.969,-17.519)
SPI1_SS2: U6.3 U8.22 | length 29.5
  Top Layer w0.254: U6.3@22.7,-23.095 22.722,-23.073 24.877,-23.073 v1(24.9,-23.05) ; v1(45.05,-17.45) 45.608,-16.892 46.228,-16.892 46.636,-17.3 U8.22@47.9,-17.3
  GND w0.254: v1(24.9,-23.05) 27.658,-20.292 27.658,-20.142 32.096,-15.704 43.304,-15.704 v1(45.05,-17.45)
SPI1CLK: P1.3 P1.12 P1.21 P1.30 P1.39 U8.15 | length 102.8
  Top Layer w0.254: v2(9.95,-7.05) 9.95,-5.092 11.95,-3.092 P1.39@11.95,-1.05 ; v2(15.427,-7.673) 15.427,-5.394 16.45,-4.371 P1.30@16.45,-1.05 ; v2@20.95,-7.05 P1.21@20.95,-1.05 ; v2@20.95,-7.05 v2(21.05,-7.05) ; P1.12@25.45,-1.05 25.45,-4.066 25.873,-4.489 25.873,-5.327 25.75,-5.45 v2(25.75,-7.3) 25.816,-7.234 29.266,-7.234 30.719,-5.781 30.719,-2.619 29.95,-1.85 P1.3@29.95,-1.05 ; U8.15@47.9,-20.8 50.063,-20.8 50.14,-20.877 50.556,-20.877 50.878,-21.2 v1(51.15,-21.2)
  GND w0.254: v2(9.95,-7.05) 9.95,-5.5 10.7,-4.75 14.75,-4.75 ; v2(15.427,-7.673) 15.427,-5.427 14.75,-4.75 ; v2(21.05,-7.05) 21.05,-5.95 19.85,-4.75 ; v1(51.15,-21.2) 50.463,-21.2 48.958,-19.695 48.958,-16.115 49.773,-15.3 49.773,-10.705 46.599,-7.531 27.839,-7.531 27.608,-7.3 v2(25.75,-7.3) 25.699,-7.3 23.538,-5.139 23.538,-5.088 23.2,-4.75 19.85,-4.75 ; 14.75,-4.75 19.85,-4.75
SPI1MISO: P1.4 P1.13 P1.22 P1.31 P1.40 U8.16 | length 101.1
  Top Layer w0.254: v2(9.25,-7.75) 9.327,-7.673 9.327,-5.073 11.45,-2.95 P1.40@11.45,-1.05 ; v2(14.85,-7.05) 14.75,-7.05 14.75,-5.428 15.95,-4.228 P1.31@15.95,-1.05 ; v2(20.45,-7.75) P1.22@20.45,-1.05 ; P1.13@24.95,-1.05 24.95,-4.25 25.25,-4.55 v2(25.25,-4.75) ; v2(28.45,-6.45) 29.208,-6.45 29.308,-6.55 30.212,-5.646 30.212,-2.812 29.45,-2.05 P1.4@29.45,-1.05 ; U8.16@47.9,-20.3 v1@50.4,-20.3
  POWER w0.254: v2(20.45,-7.75) 20.45,-5.8 21.5,-4.75 v2(25.25,-4.75)
  GND w0.254: v2(25.25,-4.75) 24.9,-4.4 24.9,-3.6 25.4,-3.1 28.45,-3.1 29.45,-4.1 29.45,-6.25 29.15,-6.55 ; v2(28.45,-6.45) 28.45,-6.5 28.55,-6.6 38.527,-6.6 ; 38.527,-6.623 46.975,-6.623 51.546,-11.194 51.546,-19.246 51.6,-19.3 51.6,-19.858 51.208,-20.25 v1(50.4,-20.25)
  Bottom Layer w0.254: v2(9.25,-7.75) 9.327,-7.673 9.327,-6.223 9.6,-5.95 14.4,-5.95 14.85,-6.4 ; v2(14.85,-7.05) 14.85,-6.4 ; v2(20.45,-7.75) 20.427,-7.727 20.427,-6.461 19.916,-5.95 15.1,-5.95 14.85,-6.2 14.85,-6.4
SPI1MOSI: P1.5 P1.14 P1.23 P1.32 P1.41 U8.17 | length 111.7
  Top Layer w0.254: v2(8.75,-6.95) 8.75,-4.976 10.95,-2.776 P1.41@10.95,-1.05 ; v2(14.15,-7.75) 14.227,-7.673 14.227,-5.31 15.45,-4.086 P1.32@15.45,-1.05 ; v2(19.85,-6.7) 19.85,-5.692 19.95,-5.592 P1.23@19.95,-1.05 ; P1.14@24.45,-1.05 24.45,-4.766 24.673,-4.989 25.121,-5.437 25.121,-6.879 25.127,-6.886 25.127,-8.177 v2(25.15,-8.2) ; v2(28.25,-5.75) 29.15,-5.75 29.758,-5.142 29.758,-3.058 28.95,-2.25 P1.5@28.95,-1.05 ; U8.17@47.9,-19.8 49.75,-19.8 49.964,-19.586 50.944,-19.586 v1(50.951,-19.593)
  POWER w0.254: v2(8.75,-6.95) 8.75,-5.25 10.727,-3.273 16.327,-3.273 ; v2(14.15,-7.75) 14.227,-7.673 14.227,-5.373 16.327,-3.273 ; v2(19.85,-6.7) 19.85,-4.1 20.677,-3.273 ; v2(25.15,-8.2) 25.15,-5.666 25.827,-4.989 25.827,-4.511 24.9,-3.584 24.9,-3.273 ; v2(28.25,-5.75) 29.3,-4.7 29.3,-3.8 28.773,-3.273 24.9,-3.273 ; 16.327,-3.273 20.677,-3.273 ; 20.677,-3.273 24.9,-3.273
  GND w0.254: v2(28.25,-5.75) 28.234,-5.75 27.627,-6.357 27.627,-6.677 28.011,-7.061 31.729,-7.061 31.745,-7.077 46.787,-7.077 51.027,-11.316 51.027,-15.507 50.951,-15.583 v1(50.951,-19.593)
VDD: C5.2 C7.2 C14.2 C21.2 REG1.3 REG2.2 REG2.4 U3.6 U3.16 U4.14 U5.3 U7.14 | length 154.1
  Top Layer w0.254: v1(24.8,-31.1) 25.59,-31.89 U4.14@27.5,-31.89 ; v1(25.55,-42.95) 25.56,-42.94 U7.14@27.35,-42.94 ; v1(28.2,-15.85) 28.295,-15.755 U3.6@31.35,-15.755 ; v1(36.4,-8.7) 36.4,-9.155 U3.16@36.15,-9.405 38.405,-9.405 C5.2@38.45,-9.45 ; C7.2@39.15,-6.242 39.302,-6.09 U5.3@41.55,-6.09 42.56,-6.09 v1(43.15,-5.5)
  POWER w0.254: v1(25.55,-42.95) 15.25,-42.95 13.2,-40.9 11.3,-40.9 8.55,-38.15 8.55,-34.913 13.413,-30.05 15.398,-30.05 25.448,-20 26.8,-20 28.2,-18.6 v1(28.2,-15.85) ; v1@36.108,-8.7 v1(36.4,-8.7) 39.95,-8.7 v1(43.15,-5.5)
  POWER w0.4: v1(27.05,-30.45) 32.5,-25 32.5,-12.308 v1@36.108,-8.7
  GND w0.254: v1(24.8,-31.1) 24.973,-30.927 26.573,-30.927 v1(27.05,-30.45)
  Bottom Layer w0.254: v1(24.8,-31.1) 24.8,-35.1 25.55,-35.85 25.55,-36.65 ; v1(25.55,-42.95) 25.55,-36.65 ; C21.2@40.308,-51.3 C21.2@40.308,-51.2 40.308,-49.444 REG2.2@40.45,-49.302 ; REG2.4@40.45,-42.552 40.45,-41.092 C14.2@41.192,-40.35 41.192,-39.592 40.598,-38.998 37.862,-38.998 36.507,-37.643 33.393,-37.643 33.1,-37.35 26.25,-37.35 25.55,-36.65
  Bottom Layer w1: REG2.2@40.45,-49.302 REG2.4@40.45,-42.552 41.4,-42.552 41.675,-42.827 41.675,-42.975 45.75,-47.05 REG1.3@45.75,-49.55
pads on no net: P1.0 U3.7 U3.9 U4.3 U5.5 U6.7 U6.9 U6.10 U8.2 U8.3 U8.4 U8.19 U8.29 U8.38 U8.40

## Polygon pours and split planes (outlines as drawn)
GND on GND "MID_GND" (solid, remove dead copper, pour order 2): 57.1,0.1 57.1,-57.4 -0.15,-57.4 -0.15,0.05 -0.1,0.1
BRIDGE_VDDA on POWER "MID_BRID_VDDA" (solid, remove dead copper, pour order 4): 56.85,-34.85 56.8,-34.8 52.95,-34.8 52.95,-29.9 51.7,-28.65 33.85,-28.65 33.85,-0.05 33.75,0.05 -0.2,0.05 -0.2,-57.4 -0.15,-57.35 57,-57.35
GND on Bottom Layer "BOT_GND" (solid, remove dead copper, pour order 6): -0.2,0.05 57.15,0.05 57.15,-57.45 -0.25,-57.45
GND on Top Layer "TOP_GND" (solid, remove dead copper, pour order 9): 57.3,0.15 57.15,0 57.15,-57.35 -0.05,-57.35 -0.1,-57.3 0,-57.2 0,0

## Keep-outs
Keep-Out Layer:
  the board outline again, w0.7

## Other copper
Top Layer:
  rectangle net GND: 41.85,-48.9 44.1,-46.85
  text "V1.0" at 1.8,-6.3 h0.8 r90
Bottom Layer:
  rectangle net GND: 41.9,-48.3 44.05,-46.95